# Altium PCB VCTS_mainboard.PcbDoc (part 4 of 4)
Units mm, origin at the board's own origin, x right, y up, seen from the top; angles counter-clockwise.
Board outline 215 x 98 mm, 6 copper layers (Top Copper, Signal Layer 1, Signal Layer 2, Signal Layer 3, Signal Layer 4, Bottom Copper), stack 1.502 mm thick; 528 components, 359 nets, 1476 pads, 756 vias.
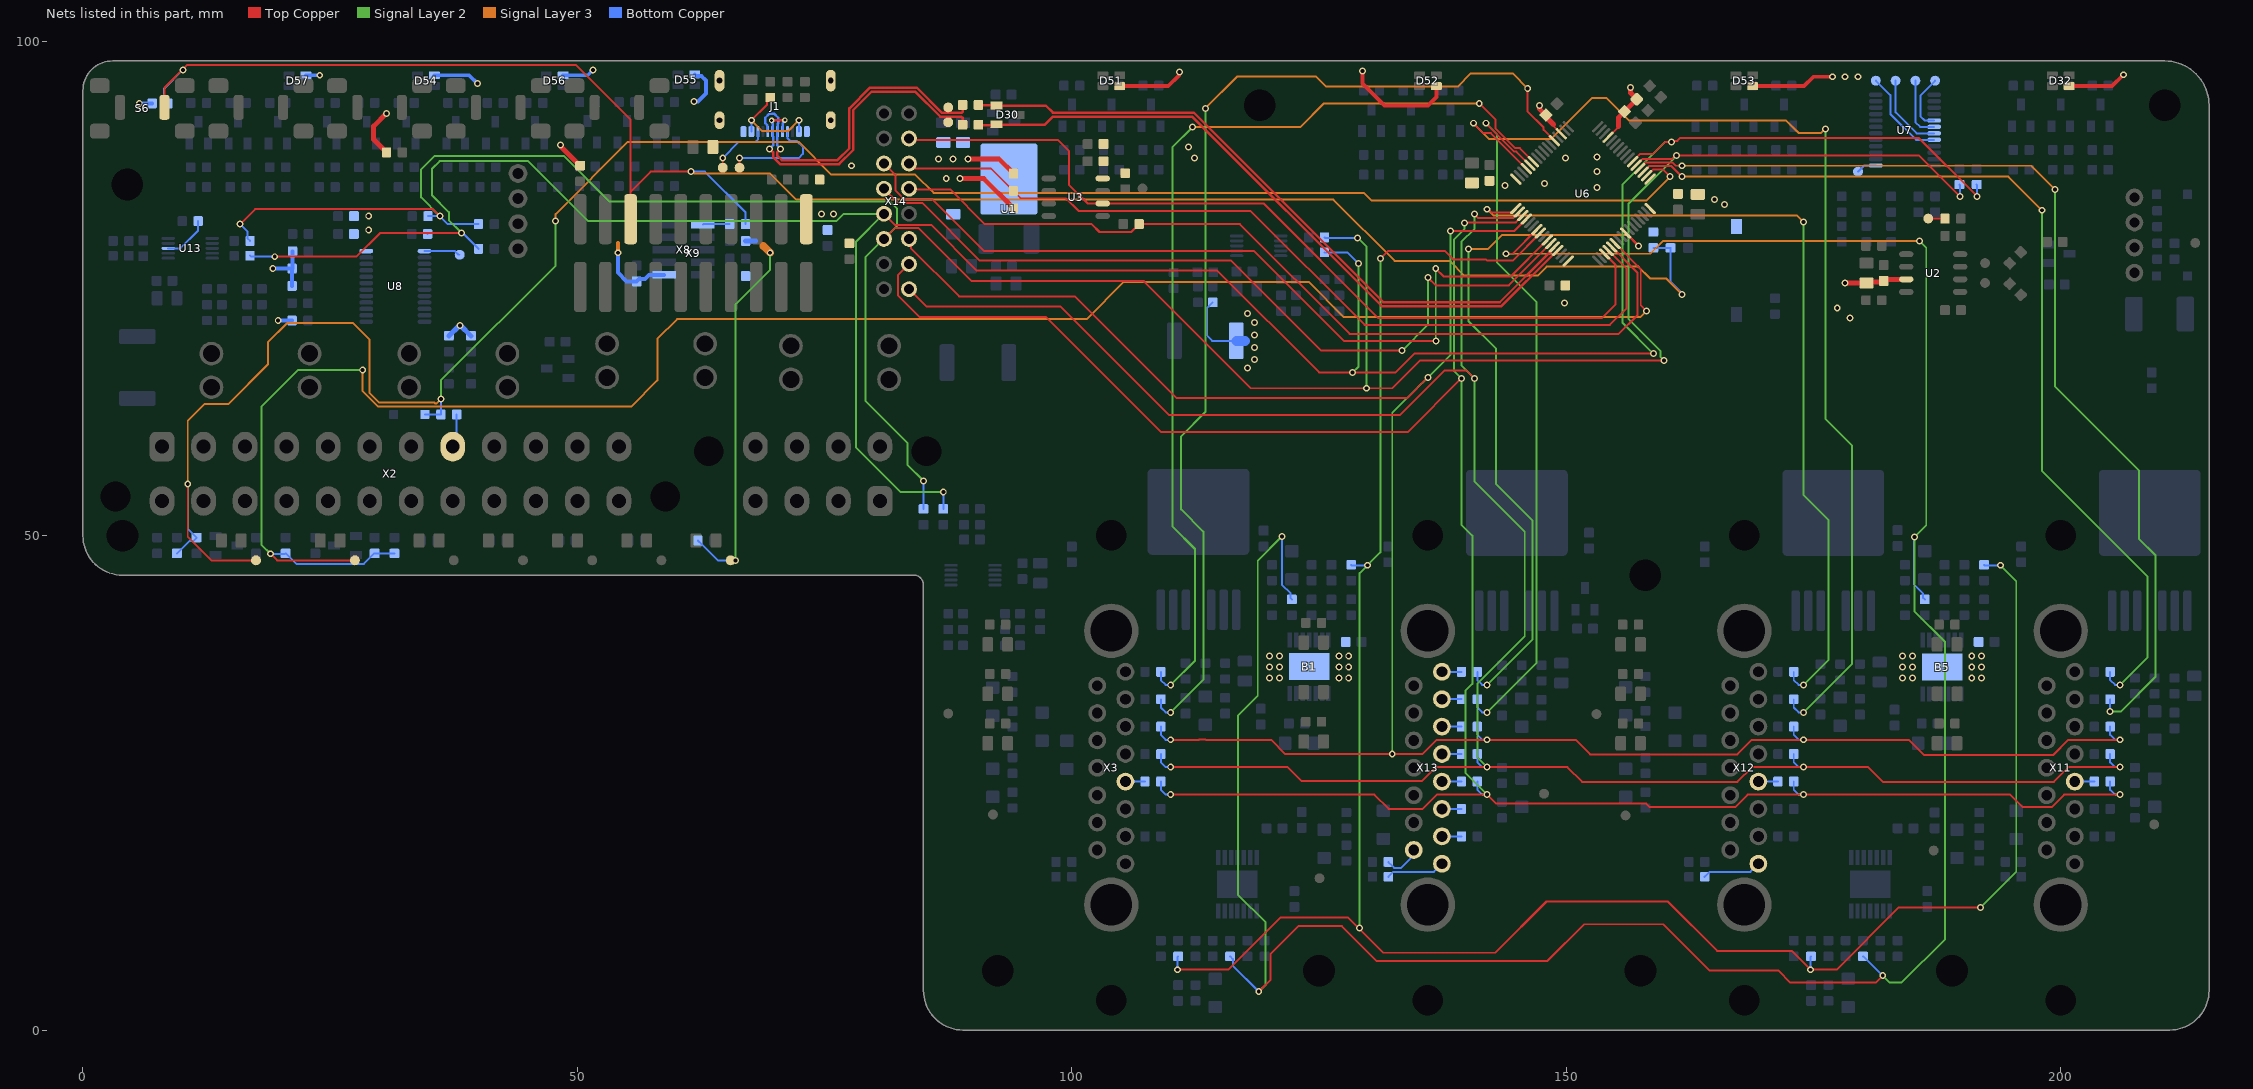
[diagram p8: the nets of this part, all layers, seen from the top]

## Via types
v1: diameter 0.7, hole 0.4, Top Copper to Bottom Copper, tented both sides, 682 vias
v2: diameter 0.7, hole 0.4, Top Copper to Bottom Copper, tented top, 72 vias
v3: diameter 0.56, hole 0.3, Top Copper to Bottom Copper, tented both sides, 2 vias

## Nets (pads, with @x,y where several pads share a name; then routed paths per layer and width w, separated by ;. In a path a pad name is that pad's centre, name@x,y a point inside that pad or via, vN(x,y) a via of type N, cw(c..) or ccw(c..) an arc to the next point about the centre after c; other vN are vias at no path point) (continued)
NetR164_2: R164.2 X12.15 | length 6
  Bottom Copper w0.2: R164.2@164,15.5 164,15.515 164.385,15.9 164.4,15.9 164.5,16 168.605,16 X12.15@169.422,16.818
NetR165_2: R165.2 X13.8 | length 2
  Bottom Copper w0.2: X13.8@137.422,36.223 R165.2@139.4,36.223
NetR166_1: R166.1 X13.9 | length 2
  Bottom Copper w0.2: X13.9@137.422,33.455 R166.1@139.4,33.455
NetR167_2: R167.2 X13.10 | length 2
  Bottom Copper w0.2: X13.10@137.422,30.686 R167.2@139.4,30.686
NetR168_2: R168.2 X13.11 | length 2
  Bottom Copper w0.2: X13.11@137.422,27.917 R168.2@139.4,27.917
NetR169_2: R169.2 X13.13 | length 2
  Bottom Copper w0.2: X13.13@137.422,22.355 R169.2@139.4,22.355
NetR170_2: R170.2 X13.14 | length 2
  Bottom Copper w0.2: X13.14@137.422,19.586 R170.2@139.4,19.587
NetR171_2: R171.2 X13.7 | length 3.9
  Bottom Copper w0.2: R171.2@132,17 132,16.985 132.385,16.6 132.4,16.6 132.6,16.4 133.3,16.4 134.271,17.371 134.271,17.908 X13.7@134.578,18.215
NetR172_2: R172.2 X13.15 | length 6
  Bottom Copper w0.2: R172.2@132,15.5 132,15.515 132.385,15.9 132.4,15.9 132.5,16 136.605,16 X13.15@137.422,16.818
NetR214_1: R214.1 U13.8 | length 4.7
  Bottom Copper w0.2: U13.8@8.625,79.05 9.85,79.05 11.65,80.85 R214.1@11.65,81.8
NetR292_2: R292.2 X3.12 | length 2
  Bottom Copper w0.2: X3.12@105.422,25.123 R292.2@107.4,25.123
NetR293_2: R293.2 X11.12 | length 2
  Bottom Copper w0.2: X11.12@201.422,25.123 R293.2@203.4,25.123
NetR294_2: R294.2 X12.12 | length 2
  Bottom Copper w0.2: X12.12@169.422,25.123 R294.2@171.4,25.123
NetR295_2: R295.2 X13.12 | length 2
  Bottom Copper w0.2: X13.12@137.422,25.123 R295.2@139.4,25.123
NetR296_1: R296.1 X8.10 | length 2.7
  Bottom Copper w0.2: X8.10@62.684,81.435 62.749,81.5 R296.1@65.4,81.5
NetTP16_1: TP16.1 U7.1 | length 2.1
  Bottom Copper w0.2: TP16.1@179.5,86.8 180.125,87.425 U7.1@181.3,87.425
NetTP17_1: TP17.1 U8.1 | length 3.7
  Bottom Copper w0.2: U8.1@34.55,78.775 37.603,78.775 37.978,78.4 TP17.1@38.1,78.4
NetTP18_1: TP18.1 U7.17 | length 5.8
  Bottom Copper w0.2: U7.17@187.2,91.975 186.225,91.975 185.8,92.4 185.8,94.5 TP18.1@187.3,96
NetTP19_1: TP19.1 U7.18 | length 6.3
  Bottom Copper w0.2: TP19.1@185.3,96 185.3,91.8 185.775,91.325 U7.18@187.2,91.325
NetTP20_1: TP20.1 U7.19 | length 8
  Bottom Copper w0.2: TP20.1@183.3,96 183.3,92.8 185.425,90.675 U7.19@187.2,90.675
NetTP21_1: TP21.1 U7.20 | length 9.5
  Bottom Copper w0.2: TP21.1@181.3,96 182.766,94.534 182.766,92.634 185.375,90.025 U7.20@187.2,90.025
ONBOARD_I2C_SCL: R110.1 R111.1 R146.1 R287.1 R289.1 R291.1 U6.6 X14.13 | length 287.1
  Top Copper w0.2: v1(19.4,78.2) 27.65,78.2 30.05,80.6 v1(38.3,80.6) ; X14.13@81,82.54 82.11,81.43 85.77,81.43 90.4,76.8 114.7,76.8 125,66.5 132.738,66.5 134.638,68.4 v1(158.8,68.4) ; U6.6@156.715,87.819 157.498,88.602 158.78,88.602 160,89.821 v1(160.642,89.821) 160.738,89.917 161.222,89.917 161.488,90.183 185.667,90.183 v1(191.55,84.3)
  Signal Layer 2 w0.2: v1(38.3,80.6) 37.011,81.889 37.011,82.703 35.3,84.414 35.3,87.1 36.07,87.87 45.03,87.87 51.104,81.796 76.192,81.796 76.936,82.54 X14.13@81,82.54 78.198,79.738 78.198,58.886 82.684,54.4 v1(87,54.4) ; v1(128.4,66.5) 129,67.1 v1(129,77.5) ; v1(158.8,68.4) 155.7,71.5 155.7,85.522 160,89.821 v1(160.642,89.821)
  Bottom Copper w0.2: R291.1@16.9,78.3 17,78.2 v1(19.4,78.2) ; R111.1@34.85,80.5 34.95,80.6 v1(38.3,80.6) 38.415,80.6 40,79.015 R146.1@40,79 ; R287.1@87,52.7 v1(87,54.4) ; R289.1@125.55,78.65 127.85,78.65 v1(129,77.5) ; R110.1@191.5,85.5 191.55,85.45 v1(191.55,84.3)
ONBOARD_I2C_SDA: R112.1 R113.1 R147.1 R286.1 R288.1 R290.1 U6.5 X14.14 | length 285.7
  Top Copper w0.2: v1(15.9,81.5) 17.404,83.004 35.396,83.004 v1(36.1,82.3) ; X14.14@81,80 82.1,81.1 84.5,81.1 89.872,75.728 107.276,75.728 118.104,64.9 v1(129.8,64.9) 132.4,64.9 135.196,67.696 159.896,67.696 v1(159.9,67.7) ; U6.5@157.069,87.465 157.681,88.077 160.661,88.077 161.015,88.43 v1(161.15,88.43) 185.67,88.43 v1(189.8,84.3)
  Signal Layer 2 w0.2: v1(36.1,82.3) 34.2,84.2 34.2,87.031 35.569,88.4 48.6,88.4 53.198,83.802 81.598,83.802 82.3,83.1 82.3,81.3 X14.14@81,80 79.129,78.129 79.129,63.623 83.407,59.345 83.407,57.131 v1(85.019,55.519) ; v1(128.9,80.1) 129.8,79.2 v1(129.8,64.9) ; v1(159.9,67.7) 159.504,68.096 159.504,68.692 156.3,71.896 156.3,83.58 v1(161.15,88.43)
  Bottom Copper w0.2: v1(15.9,81.5) 16.667,80.733 16.667,80.033 R290.1@16.9,79.8 ; R113.1@34.9,82.3 v1(36.1,82.3) 36.9,81.5 R147.1@40,81.5 ; R286.1@85,52.7 85.019,52.719 v1(85.019,55.519) ; R288.1@125.55,80.15 125.6,80.1 v1(128.9,80.1) ; R112.1@189.75,85.5 189.8,85.45 v1(189.8,84.3)
P\S\_\O\N\: R3.1 R6.1 R11.2 TP6.1 U6.54 | length 199.3
  Top Copper w0.2: v1(18.976,48.162) 19.638,47.5 TP6.1@27.5,47.5 ; U6.54@154.942,79.54 157.53,76.952 157.53,73.27 v1(158.1,72.7)
  Signal Layer 2 w0.2: v1(18.976,48.162) 18.968,48.162 18.035,49.096 18.035,63.035 21.754,66.754 v1(28.295,66.754)
  Signal Layer 3 w0.2: v1(28.295,66.754) 28.295,64.605 29.852,63.048 55.448,63.048 58.1,65.7 58.1,69.904 60.096,71.9 101.5,71.9 105.25,75.65 123.95,75.65 127.5,72.1 157.5,72.1 v1(158.1,72.7)
  Bottom Copper w0.2: v1(18.976,48.162) R3.1@20.434,48.162 ; R3.1@20.5,48.2 20.525,48.2 21.581,47.144 28.419,47.144 29.475,48.2 R11.2@29.5,48.2 R6.1@31.5,48.2
PWR_D_EN: R53.2 R71.2 R177.2 R195.2 U6.39 | length 271
  Top Copper w0.2: v1(118.9,3.9) 120.1,5.1 120.1,7.7 122.9,10.5 127.3,10.5 130.8,7 148.1,7 151.8,10.7 159.8,10.7 164.5,6 171.463,6 172.667,4.796 181.296,4.796 v1(182,5.5) ; v1(143.9,78.5) 144.568,78.5 U6.39@147.022,80.954
  Signal Layer 2 w0.2: v1(118.9,3.9) 119.604,4.604 119.604,10.896 116.796,13.704 116.796,31.8 118.8,33.804 118.8,47.461 v1(121.253,49.914) ; v1(182,5.5) 182.704,4.796 183.892,4.796 188.3,9.204 188.3,39.239 185.208,42.33 v1(185.208,49.842) 186.4,51.034 186.4,79.1 v1(185.7,79.8)
  Signal Layer 3 w0.2: v1(143.9,78.5) 158.5,78.5 159.8,79.8 v1(185.7,79.8)
  Bottom Copper w0.2: R71.2@116,7.45 116.281,7.169 116.281,6.519 v1(118.9,3.9) ; v1(121.253,49.914) 121.239,49.899 121.239,45.034 122.115,44.158 122.115,43.685 R53.2@122.25,43.55 ; R195.2@180,7.45 180.035,7.45 181.985,5.5 v1(182,5.5) ; v1(185.208,49.842) 185.182,49.815 185.182,45.039 186.058,44.163 186.058,43.742 R177.2@186.25,43.55
PWR_D_SEL: R56.1 R74.1 R180.1 R198.1 U6.40 | length 222
  Top Copper w0.2: v1(110.7,6.1) 115.804,6.1 121.104,11.4 127.9,11.4 129.05,10.25 131.482,7.818 142.818,7.818 148,13 160.252,13 165.252,8 172.8,8 v1(174.7,6.1) 177.333,6.1 183.633,12.4 v1(191.9,12.4) ; v1(131.2,78) 132,78.8 137.7,78.8 138.1,78.4 138.596,77.904 141.892,77.904 142,77.796 144.571,77.796 U6.40@147.376,80.601
  Signal Layer 2 w0.2: v1(129.1,10.3) 129.1,46.2 131.2,48.3 v1(131.2,78) ; v1(191.9,12.4) 195.5,16 195.5,45.4 v1(193.9,47)
  Bottom Copper w0.2: v1(110.7,6.1) 110.7,7.4 R74.1@110.75,7.45 ; R56.1@128.25,47.05 128.3,47 v1(129.9,47) ; v1(174.7,6.1) 174.7,7.4 R198.1@174.75,7.45 ; R180.1@192.25,47.05 192.3,47 v1(193.9,47)
PWR_OK_ATX: D2.1 R2.1 R13.2 R14.1 TP7.1 U6.2 | length 214.6
  Top Copper w0.2: v1(10.6,55.2) 10.6,49.9 13,47.5 TP7.1@17.5,47.5 ; U6.2@158.124,86.399 158.742,87.017 159.783,87.017 v1(160.5,86.3)
  Signal Layer 2 w0.2: v1(36.2,63.8) 36.2,65.7 47.8,77.3 v1(47.8,81.8)
  Signal Layer 3 w0.2: v1(10.6,55.2) 10.6,61.6 12.325,63.325 14.725,63.325 18.7,67.3 18.7,69.53 20.686,71.516 27.284,71.516 28.999,69.801 28.999,64.397 29.927,63.469 35.536,63.469 35.626,63.378 35.763,63.378 36.185,63.8 v1(36.2,63.8) ; v1(47.8,81.8) 47.8,82.5 55.11,89.81 72.39,89.81 75.69,86.51 80.407,86.51 84.132,86.51 84.166,86.51 86.016,84.66 90.273,84.66 90.28,84.653 129.541,84.653 130.318,83.876 158.076,83.876 v1(160.5,86.3)
  Bottom Copper w0.2: R14.1@9.5,48.2 9.525,48.2 10.77,49.445 11.145,49.445 R13.2@11.5,49.8 10.6,50.7 v1(10.6,55.2) ; D2.1@34.575,62.25 R2.1@36.2,62.25 v1(36.2,63.8)
PWR_OK_UNPROT: R2.2 X2.8 | length 3.4
  Bottom Copper w0.2: X2.8@37.4,59 37.8,59.4 R2.2@37.8,62.25
R\S\T\: R100.1 R108.1 R124.1 R296.2 S6.1 X9.15 | length 195.1
  Top Copper w0.2: S6.1@8.25,93.3 8.25,95.306 10.544,97.6 49.847,97.6 55.38,92.067 55.38,84.78 ; X9.15@55.38,82 55.38,84.78 ; v1(61.5,86.8) 57.4,86.8 55.38,84.78
  Signal Layer 3 w0.2: v1(61.5,86.8) 61.635,86.8 61.799,86.636 69.456,86.636 72.111,83.981 80.543,83.981 80.544,83.98 126.453,83.98 132.646,77.788 138.212,77.788 139.704,76.296 147.1,76.296 148.008,77.204 157.296,77.204 158.5,76 160.1,76 v1(161.7,74.4)
  Bottom Copper w0.2: R124.1@8.6,93.7 8.244,94.081 8.2,95.2 v1(10.1,97.1) ; v1(61.5,86.8) 62.9,86.8 67,82.7 R296.2@67,81.5 ; R100.1@158.8,79.1 158.805,79.095 160.537,79.095 R108.1@160.542,79.091 160.542,75.658 161.7,74.5 v1(161.7,74.4)
SBU1: J1.A8 TP25.1 | length 10.8
  Top Copper w0.2: TP25.1@66.4,87.2 v1(66.4,88.177)
  Bottom Copper w0.2: v1(66.4,88.177) 72.377,88.177 72.8,88.6 72.8,89.3 72.2,89.9 71.517,89.9 71.25,90.167 J1.A8@71.25,90.85
SBU2: J1.B8 TP22.1 | length 6.1
  Top Copper w0.2: TP22.1@64.7,87.2 v1(64.7,88.177)
  Bottom Copper w0.2: v1(64.7,88.177) 66.327,89.804 68.004,89.804 68.25,90.05 J1.B8@68.25,90.85
SPI_CS_BRD1_1: R22.2 U6.21 | length 108.3
  Top Copper w0.2: v1(146.1,95.2) 146.1,92.865 147.7,91.265 147.7,91.025 U6.21@148.79,89.935
  Signal Layer 2 w0.2: v1(110,32.127) 113.3,35.427 113.3,50.4 111.046,52.654 111.046,60.046 113.5,62.5 v1(113.5,93.2)
  Signal Layer 3 w0.2: v1(113.5,93.2) 116.7,96.4 124.704,96.4 125.708,95.396 139.005,95.396 140.344,96.735 144.565,96.735 v1(146.1,95.2)
  Bottom Copper w0.2: R22.2@109,33.45 109,32.617 109.489,32.127 v1(110,32.127)
SPI_CS_BRD1_2: R21.1 U6.27 | length 99.6
  Top Copper w0.2: v1(141.198,93.7) 141.198,93.698 142.86,92.035 142.86,91.159 144.849,89.17 145.312,89.17 U6.27@146.669,87.813
  Signal Layer 2 w0.2: v1(110,34.9) 112.454,37.354 112.454,48.646 110.2,50.9 110.2,89.3 v1(112.2,91.3)
  Signal Layer 3 w0.2: v1(112.2,91.3) 123.1,91.3 125.5,93.7 v1(141.198,93.7)
  Bottom Copper w0.2: R21.1@109,36.223 109,35.389 109.489,34.9 v1(110,34.9)
SPI_CS_BRD2_1: R166.2 U6.28 | length 72
  Top Copper w0.2: v1(141.9,91.7) 141.9,91.638 144.719,88.819 144.956,88.819 U6.28@146.315,87.46
  Signal Layer 2 w0.2: v1(141.9,91.7) 142.975,90.625 142.975,77.625 147,73.6 147,37.127 v1(142,32.127)
  Bottom Copper w0.2: R166.2@141,33.45 141,32.617 141.489,32.127 v1(142,32.127)
SPI_CS_BRD2_2: R165.1 U6.57 | length 70.8
  Top Copper w0.2: U6.57@156.003,80.601 v1(157.302,79.302)
  Signal Layer 2 w0.2: v1(140.1,79) 140.1,71.7 142.9,68.9 142.9,55.194 146.6,51.494 146.6,39.5 v1(142,34.9)
  Signal Layer 3 w0.2: v1(140.1,79) 142.104,79 143.508,80.404 156.2,80.404 v1(157.302,79.302)
  Bottom Copper w0.2: R165.1@141,36.223 141,35.389 141.489,34.9 v1(142,34.9)
SPI_CS_BRD3_1: R158.2 U6.29 | length 111
  Top Copper w0.2: v1(140.6,91.7) 141.6,90.7 142.368,90.7 U6.29@145.962,87.106
  Signal Layer 2 w0.2: v1(174,32.127) 178.894,37.021 178.894,59.106 176.2,61.8 v1(176.2,91.1)
  Signal Layer 3 w0.2: v1(140.6,91.7) 142.2,90.1 148.444,90.1 152.583,94.239 154.08,94.239 156.323,91.996 172.204,91.996 173.483,90.717 175.77,90.717 176.153,91.1 v1(176.2,91.1)
  Bottom Copper w0.2: R158.2@173,33.45 173,32.617 173.489,32.127 v1(174,32.127)
SPI_CS_BRD3_2: R157.1 U6.33 | length 86.7
  Top Copper w0.2: v1(142,83) 142.123,83 142.472,82.651 144.477,82.651 U6.33@144.901,83.076
  Signal Layer 2 w0.2: v1(174,34.9) 176.536,37.436 176.536,51.564 174,54.1 v1(174,81.7)
  Signal Layer 3 w0.2: v1(142,83) 142.65,82.35 173.35,82.35 v1(174,81.7)
  Bottom Copper w0.2: R157.1@173,36.223 173,35.389 173.489,34.9 v1(174,34.9)
SPI_CS_BRD4_1: R150.2 U6.4 | length 104.2
  Top Copper w0.2: U6.4@157.422,87.112 158.058,87.747 160.72,87.747 161.067,87.4 v1(161.7,87.4)
  Signal Layer 2 w0.2: v1(199.4,85) 199.4,65.11 207.907,56.603 207.907,49.693 209.583,48.017 209.583,35.71 206.073,32.2 v1(205,32.2)
  Signal Layer 3 w0.2: v1(161.7,87.4) 197,87.4 v1(199.4,85)
  Bottom Copper w0.2: v1(205,32.2) R150.2@205,33.45
SPI_CS_BRD4_2: R149.1 U6.3 | length 98
  Top Copper w0.2: U6.3@157.776,86.758 158.377,87.359 160.641,87.359 v1(161.7,86.3)
  Signal Layer 2 w0.2: v1(198.1,82.9) 198.1,56.542 208.77,45.872 208.77,37.67 v1(206,34.9)
  Signal Layer 3 w0.2: v1(161.7,86.3) 170.409,86.3 170.413,86.304 194.696,86.304 v1(198.1,82.9)
  Bottom Copper w0.2: R149.1@205,36.223 205,35.389 205.489,34.9 v1(206,34.9)
SPI_EXT_MISO: R292.1 R293.1 R294.1 R295.1 U6.35 X14.2 | length 242.4
  Top Copper w0.2: X14.2@83.54,77.46 82.44,76.36 82.44,74.26 84.6,72.1 97.4,72.1 109.027,60.473 133.973,60.473 v1(139.4,65.9) v1@139.412,65.888 ; v1(110,23.809) 130.591,23.809 132.033,22.367 135.472,22.367 136.914,23.809 v1(142,23.809) 142.909,22.9 158.1,22.9 158.448,22.552 167.075,22.552 168.332,23.809 v1(174,23.809) 194.891,23.809 196.148,22.552 199.075,22.552 200.332,23.809 v1(206,23.809) ; v1(139.7,81.6) 139.766,81.666 144.906,81.666 U6.35@145.608,82.369
  Signal Layer 2 w0.2: v1(139.7,81.6) 139.7,81 138.632,79.932 138.632,66.668 v1(139.4,65.9) 139.4,51.1 140.5,50 140.5,35.004 139.8,34.304 139.8,26.009 v1(142,23.809)
  Bottom Copper w0.2: R292.1@109,25.132 109,24.298 109.489,23.809 v1(110,23.809) ; R295.1@141,25.132 141,24.298 141.489,23.809 v1(142,23.809) ; R294.1@173,25.132 173,24.298 173.489,23.809 v1(174,23.809) ; R293.1@205,25.132 205,24.298 205.489,23.809 v1(206,23.809)
SPI_EXT_MOSI: R24.1 R152.1 R160.1 R168.1 U6.34 X14.1 | length 238.9
  Top Copper w0.2: X14.1@83.54,74.92 85.28,73.18 98.82,73.18 109.8,62.2 133.2,62.2 137.7,66.7 139.9,66.7 v1(140.7,65.9) ; v1(110,26.582) 121.828,26.582 123.242,25.168 135.368,25.168 136.782,26.582 v1(142,26.582) 150.118,26.582 151.6,25.1 167.3,25.1 168.782,26.582 v1(174,26.582) 180.518,26.582 182,25.1 199.3,25.1 200.782,26.582 v1(206,26.582) ; v1(140.7,82.5) 141.1,82.1 144.632,82.1 U6.34@145.255,82.722
  Signal Layer 2 w0.2: v1(140.7,82.5) 140.7,80.996 139.396,79.692 139.396,67.204 v1(140.7,65.9) 140.7,55.5 145.8,50.4 145.8,39.8 141,35 141,27.582 v1(142,26.582)
  Bottom Copper w0.2: R24.1@109,27.905 109,27.071 109.489,26.582 v1(110,26.582) ; R168.1@141,27.905 141,27.071 141.489,26.582 v1(142,26.582) ; R160.1@173,27.905 173,27.071 173.489,26.582 v1(174,26.582) ; R152.1@205,27.905 205,27.071 205.489,26.582 v1(206,26.582)
SPI_EXT_SCK: R23.1 R151.1 R159.1 R167.1 U6.36 X14.3 | length 231.8
  Top Copper w0.2: X14.3@83.54,80 83.733,79.807 83.733,79.067 88.6,74.2 100.3,74.2 110.6,63.9 133.9,63.9 v1(136,66) ; v1(110,29.354) 112.859,29.354 112.908,29.404 113.492,29.404 113.541,29.354 120.146,29.354 121.6,27.9 v1(132.4,27.9) ; v1@132.4,27.902 135.439,27.902 136.891,29.354 v1(142,29.354) 150.946,29.354 152.422,27.878 167.298,27.878 168.775,29.354 v1(174,29.354) 184.635,29.354 186.193,27.796 199.218,27.796 200.776,29.354 v1(206,29.354) ; v1(138.3,80.8) 144.747,80.8 U6.36@145.962,82.015
  Signal Layer 2 w0.2: v1(132.4,27.9) 132.4,62.4 138.3,68.3 v1(138.3,80.8)
  Bottom Copper w0.2: R23.1@109,30.678 109,29.844 109.489,29.354 v1(110,29.354) ; R167.1@141,30.678 141,29.844 141.489,29.354 v1(142,29.354) ; R159.1@173,30.678 173,29.844 173.489,29.354 v1(174,29.354) ; R151.1@205,30.678 205,29.844 205.489,29.354 v1(206,29.354)
SPI_INT_MISO: R33.2 U6.52 X14.6 | length 86.7
  Top Copper w0.2: X14.6@83.5,87.1 91.85,87.1 93.712,85.238 93.726,85.238 94.1,84.865 R33.2@94.1,84.85 94.1,84.835 94.485,84.45 94.5,84.45 94.837,84.113 99.405,84.113 100.675,82.843 118.057,82.843 129.6,71.3 154.4,71.3 156.1,73 156.1,76.968 U6.52@154.235,78.833 ; X14.6@83.54,87.62 X14.6@83.817,87.62
SPI_INT_MOSI: R32.2 U6.53 X14.5 | length 89.2
  Top Copper w0.2: X14.5@83.54,85.08 83.62,85 87.7,85 91.2,81.5 102,81.5 102.8,80.7 106.028,80.7 106.8,81.472 R32.2@106.8,81.5 117,81.5 128.1,70.4 155.3,70.4 157.2,72.3 157.2,76.575 U6.53@154.588,79.187
SPI_INT_SCK: U3.6 U6.51 X14.7 | length 87.1
  Top Copper w0.2: X14.7@83.54,90.16 83.686,90.014 98.586,90.014 99.7,88.9 99.7,85.5 101.617,83.583 U3.6@103.12,83.583 119.417,83.583 131.004,71.996 153.596,71.996 155,73.4 155,77.361 U6.51@153.881,78.48
STBY: R18.1 TP41.1 | length 1.7
  Top Copper w0.2: TP41.1@186.6,82.05 R18.1@188.3,82.05
USART_MCU_RX: U6.43 X14.12 | length 82.2
  Top Copper w0.2: X14.12@81,85.08 82.44,83.64 84.86,83.64 90.7,77.8 116.1,77.8 125.2,68.7 v1(133.4,68.7) ; v1(136,76.1) 136.8,75.3 144.196,75.3 U6.43@148.437,79.54
  Signal Layer 2 w0.2: v1(133.4,68.7) 136,71.3 v1(136,76.1)
USART_MCU_TX: U6.42 X14.11 | length 84.6
  Top Copper w0.2: X14.11@81,87.62 82.176,86.444 82.176,84.888 83.084,83.98 85.92,83.98 91.1,78.8 118.4,78.8 127.509,69.691 v1(136.818,69.691) ; v1(136.8,77) 137.6,76.2 144.389,76.2 U6.42@148.083,79.894
  Signal Layer 2 w0.2: v1(136.8,77) 136.8,69.709 v1(136.818,69.691)
USB_D_N: D30.1 R134.1 U6.44 | length 68.8
  Top Copper w0.25: R134.1@90.584,93.516 D30.1@92.4,93.516 ; D30.1@92.4,93.5 92.434,93.466 97.381,93.466 98.081,92.766 112.334,92.766 131.5,73.6 143.274,73.6 148.356,78.682 148.356,78.753 U6.44@148.79,79.187
USB_D_P: D30.2 R133.1 U6.45 | length 69.3
  Top Copper w0.25: R133.1@90.55,91.55 90.584,91.516 92.316,91.516 D30.2@92.4,91.6 92.434,91.566 97.281,91.566 98.081,92.366 112.168,92.366 131.334,73.2 143.44,73.2 148.639,78.399 148.71,78.399 U6.45@149.144,78.833
USB_GND: FB1.2 J1.A1_B12 J1.B1_A12 J1.S1 J1.S2 J1.S3 J1.S4
USB_VBUS: J1.A4_B9 J1.B4_A9 R135.2 | length 11.1
  Top Copper w0.2: v1(67.6,92) 69.195,93.595 69.195,93.995 R135.2@69.5,94.3
  Signal Layer 3 w0.2: v1(67.6,92) 68.7,90.9 71.3,90.9 v1(72.4,92)
  Bottom Copper w0.2: J1.A4_B9@67.6,90.85 v1(67.6,92) ; J1.B4_A9@72.4,90.85 v1(72.4,92)
USBCONN_D_N: J1.A7 J1.B7 R134.2 TP24.1 | length 33.5
  Top Copper w0.25: v1(70.558,89.106) 70.196,88.744 70.196,88.438 70.667,87.967 76.301,87.967 77.5,89.166 77.5,93.2 79.6,95.3 84.316,95.3 86.866,92.75 88.839,92.75 88.95,92.861 R134.2@88.95,93.55
  Bottom Copper w0.25: J1.B7@69.25,90.85 69.225,90.875 69.225,91.474 68.994,91.706 68.994,92.251 69.38,92.637 69.926,92.637 70.312,92.251 70.312,91.706 70.246,91.64 70.246,90.854 J1.A7@70.25,90.85 70.225,90.825 70.225,90.375 70.2,90.35 70.2,89.879 70.196,89.875 70.196,89.469 v1(70.558,89.106)
USBCONN_D_P: J1.A6 J1.B6 R133.2 TP23.1 | length 33.3
  Top Copper w0.25: v1(69.433,89.106) 69.796,88.744 69.796,88.272 70.501,87.567 76.467,87.567 77.9,89 77.9,93.034 79.766,94.9 84.15,94.9 86.7,92.35 88.839,92.35 88.95,92.239 R133.2@88.95,91.55 ; v3(69.653,91.978) 69.666,91.992 70.98,91.992 v3(70.993,92.005)
  Bottom Copper w0.25: v1(69.433,89.106) 69.796,89.469 69.796,90.041 69.8,90.045 69.8,90.35 69.775,90.375 69.775,90.825 J1.A6@69.75,90.85 ; v3(69.653,91.978) 69.712,91.919 69.712,91.72 69.754,91.678 69.754,90.911 J1.A6@69.758,90.907 ; J1.B6@70.75,90.85 70.775,90.875 70.775,91.703 70.993,91.921 v3(70.993,92.005)
VCC: C4.2 C5.2 C6.2 C11.2 C12.2 C35.2 C36.2 C38.2 C39.2 C40.2 C41.2 C42.2 C43.2 C44.2 C45.2 C48.2 C49.2 R29.2 R30.2 R31.2 R99.1 R100.2 R101.2 R102.2 R103.2 R106.1 R109.2 R117.2 R118.2 R119.2 R120.2 R122.2 R123.2 R124.2 R128.2 S1.1 TP1.1 U1.4 U3.8 U6.1 U6.13 U6.19 U6.32 U6.48 U6.64 U8.24 X8.1 X9.01 | length 89.7
  Top Copper w0.2: U6.32@144.885,86.046 U6.32@144.901,86.046 ; 148.7,91.569 148.7,91.439 U6.19@149.497,90.642 ; U6.13@154.235,90.288 155.3,91.353 155.3,91.362
  Top Copper w0.4: X9.01@73.16,82 X9.01@73.16,82.5
  Top Copper w0.5: R122.2@30.7,88.75 29.4,90.05 29.4,91.4 v1(30.7,92.7) ; v1(48.3,89.5) 48.338,89.462 48.338,89.337 50.257,87.418 R106.1@50.282,87.418 ; v1(88.7,86.1) 91.1,86.1 93.85,83.35 93.875,83.35 94.1,83.125 R29.2@94.1,83.1 ; v1(89.5,88.1) 92.625,88.1 94.1,86.625 R31.2@94.1,86.6 ; v1(147.3,93.5) 147.313,93.487 147.313,93.121 147.9,92.534 C43.2@147.934,92.534 ; C43.2@147.634,92.634 148.7,91.569 ; 155.3,91.362 155.3,92.303 C38.2@155.874,92.876 C39.2@157.124,94.126 157.124,94.151 156.514,94.761 156.514,95.286 v1(156.5,95.3)
  Signal Layer 2 w0.2: v1(66,47.5) 66,73.4 69.5,76.9 v1(69.5,78.6)
  Signal Layer 3 w0.4: v1(54.1,78.6) 54.1,79.6
  Signal Layer 3 w0.8: 68.8,79.3 v1(69.5,78.6)
  Bottom Copper w0.2: R109.2@62.2,49.5 62.2,49.485 62.574,49.112 62.588,49.112 64.2,47.5 v1(66,47.5)
  Bottom Copper w0.4: v1(5.7,93.7) R124.2@7,93.7 ; v1(19.2,77) R128.2@21.15,77 ; v1(19.75,71.75) R120.2@21.15,71.75 ; R123.2@21.15,75.25 R128.2@21.15,77 ; R119.2@21.2,78.75 21.175,78.725 21.175,77.025 R128.2@21.15,77 ; v1(54.1,78.6) 54.1,76.589 54.989,75.7 C35.2@56,75.7 56.23,75.93 56.83,75.93 57.255,76.355 X8.1@58.784,76.355
  Bottom Copper w0.5: R118.2@37,70.2 37.025,70.2 38.026,71.201 38.102,71.201 v1(38.14,71.239) 38.186,71.239 39.225,70.2 R117.2@39.25,70.2 ; R102.2@67.014,79.779 68.018,79.779 ; v1(69.5,78.6) v1@69.538,78.562
  other v1: 149.8,73.5 28.9,80.9 28.9,82.3 74.7,82.5 75.9,82.5 166,83.5 165,84 153.1,85.2 143.8,85.4 147.8,85.6 87.3,86.1 153.1,86.8 77.7,87.4 86.5,88.1 88,88.1 112.4,88.2 149.9,88.2 153.1,88.3 111.8,89.3
VCC_5V: B1.15 B5.15 C8.2 C9.2 C19.2 C57.2 D32.1 D51.1 D52.1 D53.1 D54.1 D55.1 D56.1 D57.1 R93.1 R94.2 U2.3 | length 59.9
  Top Copper w0.4: D51.1@104.851,95.45 109.75,95.45 110.843,96.543 110.843,96.843 v1(110.9,96.9) ; v1(129.4,97) 129.4,95.7 131.6,93.5 136,93.5 136.857,94.357 D52.1@136.857,95.45 ; D53.1@168.85,95.45 174.05,95.45 175,96.4 v1(176.9,96.4) ; D32.1@200.85,95.45 205.2,95.45 v1(206.35,96.6)
  Top Copper w0.5: v1(178.2,75.55) C9.2@180.35,75.55 180.45,75.65 182,75.65 C8.2@182.1,75.75 182.246,75.896 184.356,75.896 U2.3@184.375,75.915
  Bottom Copper w0.2: R94.2@114.25,73.581 114.235,73.581 113.85,73.196 113.85,73.181 113.694,73.025 113.694,70.186 114.18,69.7 R93.1@116.625,69.7
  Bottom Copper w0.4: D57.1@22.55,96.55 v1(23.95,96.55) ; D54.1@35.55,96.55 39.05,96.55 v1(39.9,95.7) ; D56.1@48.55,96.55 51.05,96.55 v1(51.6,97.1) ; v1(61.8,93.9) 61.816,93.916 62.216,93.916 63,94.7 63,96 62.529,96.471 62.037,96.471 D55.1@61.869,96.639
  Bottom Copper w1: R93.1@116.66,69.665 117.521,69.665
  other v1: 120,35.587 121,35.587 127,35.587 128,35.587 184,35.587 185,35.587 191,35.587 192,35.587 120,36.712 121,36.712 127,36.712 128,36.712 184,36.712 185,36.712 191,36.712 192,36.712 120,37.837 121,37.837 127,37.837 128,37.837 184,37.837 185,37.837 191,37.837 192,37.837 117.75,66.95 118.457,67.79 118.457,69.04 118.457,70.29 118.457,71.54 178.7,72 117.75,72.45 177.4,73 178.2,96.4 179.5,96.4
pads on no net: B1.7 B1.11 B2.7 B2.11 B5.7 B5.11 B6.7 B6.11 S2.TAB S3.TAB U4.3 U5.3 U13.3 X1.Peg X2.14 X2.20 X2.Peg X3.3@104,3 X3.3@104,50.041 X8.7 X8.9 X9.11 X9.17 X11.3@200,3 X11.3@200,50.041 X12.3@168,3 X12.3@168,50.041 X13.3@136,3 X13.3@136,50.041

## Polygon pours and split planes (outlines as drawn)
3V3_PWR_U_Interface_Load_Switching1 on Bottom Copper "Bottom Copper-3V3_ATX" (solid, remove dead copper, pour order 199): 8.177,75.753 8.177,76.884 6.677,76.884 6.677,75.753
DGND on Bottom Copper "NONET_L-01_P-001" (solid, remove dead copper, shelved, pour order 212): 0,0 215,0 215,98 0,98
3V3_ATX on Bottom Copper "Bottom Copper-3V3_ATX" (solid, remove dead copper, pour order 195): 4.264,62 4.264,63.131 2.764,63.131 2.764,62
12V_UNPROT on Bottom Copper "Bottom Copper-12V_UNPROT" (solid, remove dead copper, pour order 196): 80.379,49.35 83.779,52.75 83.779,66.05 75.632,74.197 63.125,74.197 53.329,64.4 45.429,64.4 42.985,61.956 42.985,50.943 44.579,49.35
5V_OUT_0_U_Interface_Load_Switching2 on Bottom Copper "NONET_L-01_P-001" (solid, remove dead copper, pour order 32): 95.844,30.556 102,30.556 102.5,31.056 102.5,35.806 102,36.306 95.806,36.306 95.25,35.75 95.25,31.15
3V3_OUT_0_U_Interface_Load_Switching2 on Bottom Copper "NONET_L-01_P-001" (solid, remove dead copper, pour order 82): 95.95,22.25 102,22.25 102.5,22.75 102.5,27.5 102,28 95.7,28 95.25,27.55 95.25,22.95
3V3_OUT_1_U_Interface_Load_Switching1 on Bottom Copper "Bottom Copper-3V3_OUT_1_U_Interface_Load_Switching1" (solid, remove dead copper, pour order 194): 176.05,16.75 180.75,16.75 180.75,21.15 181.85,22.25 198,22.25 198.5,22.75 198.5,27.5 198,28 178.7,28 175,24.3 175,22.25 175,17.8
5V_OUT_1_U_Interface_Load_Switching2 on Bottom Copper "Bottom Copper-5V_OUT_1_U_Interface_Load_Switching2" (solid, remove dead copper, pour order 193): 124,34.375 124,28.625 131.25,28.625 133.25,30.625 134.125,30.625 134.5,31 134.5,36 134.125,36.375 129.571,36.375 127.571,34.375
3V3_ATX on Bottom Copper "Bottom Copper-3V3_ATX" (solid, remove dead copper, pour order 192): 9.1,62 16,62 17.6,63.6 17.6,69.1 16.261,70.439 10.439,70.439 9.1,69.1 8.4,68.4 3.3,68.4 2,67.1 2,62.6 2.6,62
3V3_UNPROT on Bottom Copper "Bottom Copper-3V3_UNPROT" (solid, remove dead copper, pour order 191): 6.1,55 26.9,55 28,56.1 28,69.1 26.661,70.439 19.139,70.439 17.7,69 17.7,63.3 16.4,62 6.3,62 5,60.7 5,56.1
VCC_5V on Bottom Copper "Bottom Copper-VCC_5V" (solid, remove dead copper, pour order 190): 116,66.5 118,64.5 174,64.5 181,71.5 181,75.3 179.1,77.2 177.2,77.2 176,76 171.2,71.2 120.5,71.2 119.5,72.2 118.4,73.3 116.7,73.3 116,72.6
VCC on Bottom Copper "NONET_L-01_P-001" (solid, remove dead copper, pour order 189): 66.5,80.3 66.5,75.7 71.3,75.7 73,77.4 73,79.6 72,80.6 66.8,80.6
VCC_5V on Bottom Copper "Bottom Copper-VCC_5V 1" (solid, remove dead copper, pour order 188): 183,35.562 183.6,34.962 192.4,34.962 193,35.562 193,37.962 192.5,38.462 192.5,40 192,40.5 191,40.5 190.5,40 190.5,39 189.962,38.462 183.6,38.462 183,37.862
VCC_5V on Bottom Copper "Bottom Copper-VCC_5V 2" (solid, remove dead copper, pour order 183): 119,35.6 119.6,35 128.4,35 129,35.6 129,38 128.5,38.5 128.5,40 128,40.5 127,40.5 126.5,40 126.5,39 126,38.5 119.6,38.5 119,37.9
VCC on Bottom Copper "NONET_L-01_P-001" (solid, remove dead copper, pour order 144): 142.8,84.6 147.7,79.7 147.7,73.833 149.333,72.2 160.7,72.2 168.6,80.1 168.6,83.5 167.2,84.9 163.8,84.9 158,90.7 158,95.2 156.3,96.9 149.3,96.9 142.8,90.4
VCC on Bottom Copper "NONET_L-01_P-001" (solid, remove dead copper, pour order 181): 26.8,83.4 28.7,83.4 30.1,82 30.1,78.8 29.8,78.5 27.3,78.5 26.5,79.3 26.5,83.1
USB_GND on Bottom Copper "NONET_L-01_P-001" (solid, remove dead copper, pour order 26): 77.1,97.1 77.1,90.8 76.2,89.9 63.6,89.9 62.7,90.8 62.7,96.9 63.8,98 76.2,98
VCC on Bottom Copper "NONET_L-01_P-001" (solid, remove dead copper, pour order 160): 74.2,80.4 76.4,80.4 76.6,80.6 76.6,83 76.1,83.5 74.5,83.5 74,83 74,80.6
3V3_PWR_U_Interface_Load_Switching1 on Bottom Copper "NONET_L-01_P-001" (solid, remove dead copper, pour order 33): 2,68.5 2,73.1 5.8,76.9 7.9,76.9 9,75.8 9,69.3 8.2,68.5
3V3_PWR_U_Interface_Load_Switching1 on Bottom Copper "NONET_L-01_P-001" (solid, remove dead copper, pour order 158): 93.3,47.2 97,47.2 98.1,48.3 98.1,48.7 97.7,49.1 93.7,49.1 93.3,48.7
3V3_OUT_1_U_Interface_Load_Switching2 on Bottom Copper "Bottom Copper-3V3_OUT_1_U_Interface_Load_Switching2" (solid, remove dead copper, pour order 154): 111,16.75 116.75,16.75 116.75,20.65 118.35,22.25 134,22.25 134.5,22.75 134.5,27.5 134,28 115.5,28 111,23.5 111,22.25
5V_OUT_0_U_Interface_Load_Switching1 on Bottom Copper "NONET_L-01_P-001" (solid, remove dead copper, pour order 23): 159.944,30.556 166,30.556 166.5,31.056 166.5,35.806 166,36.306 159.706,36.306 159.25,35.85 159.25,31.25
5V_OUT_0_U_Interface_Load_Switching1 on Bottom Copper "NONET_L-01_P-001" (solid, remove dead copper, pour order 22): 188,34.75 183.35,34.75 182.7,34.1 182.7,33.2 184.15,31.75 188,31.75
3V3_OUT_0_U_Interface_Load_Switching1 on Bottom Copper "NONET_L-01_P-001" (solid, remove dead copper, pour order 86): 180.75,16.75 184.75,16.75 184.75,19 182.75,21 180.75,21
3V3_OUT_0_U_Interface_Load_Switching1 on Bottom Copper "NONET_L-01_P-001" (solid, remove dead copper, pour order 19): 160.25,22.25 166,22.25 166.5,22.75 166.5,27.5 166,28 159.7,28 159.25,27.55 159.25,23.25
12V_OUT_1_U_Interface_Load_Switching1 on Bottom Copper "NONET_L-01_P-001" (solid, remove dead copper, pour order 75): 163.684,36.816 175.816,36.816 177.433,38.433 177.433,46.067 175.82,47.68 163.18,47.68 162,46.5 162,38.5
5V_OUT_0_U_Interface_Load_Switching2 on Bottom Copper "NONET_L-01_P-001" (solid, remove dead copper, pour order 143): 124,34.75 119.35,34.75 118.7,34.1 118.7,33.2 120.15,31.75 124,31.75
12V_PWR on Bottom Copper "Bottom Copper-12V_PWR" (solid, remove dead copper, pour order 141): 90.57,71.07 90.57,58.43 99,50 215,50 215,72.3 213.8,73.5 211.9,73.5 210.7,72.3 210.7,65.8 209.9,65 109.5,65 101,73.5 93,73.5
3V3_PWR_U_Interface_Load_Switching1 on Bottom Copper "NONET_L-01_P-001" (solid, remove dead copper, pour order 140): 185.7,84.2 187.5,84.2 188.6,85.3 188.6,87.5 188.3,87.8 185.8,87.8 184.8,86.8 184.8,85.1
3V3_PWR_U_Interface_Load_Switching1 on Bottom Copper "NONET_L-01_P-001" (solid, remove dead copper, pour order 139): 175.75,15.9 175.75,13.6 176.35,13 185.15,13 187,14.85 187,16 186.5,16.5 176.35,16.5
3V3_PWR_U_Interface_Load_Switching1 on Bottom Copper "NONET_L-01_P-001" (solid, remove dead copper, pour order 138): 111.75,15.9 111.75,13.6 112.35,13 121.15,13 123,14.85 123,16 122.5,16.5 112.35,16.5
VCC on Bottom Copper "NONET_L-01_P-001" (solid, remove dead copper, pour order 132): 91.4,89.2 91.4,83.4 90.2,82.2 86.4,82.2 85.1,83.5 85.1,89.6 85.9,90.4 90.2,90.4
5VSB_ATX on Bottom Copper "Bottom Copper-5VSB_ATX" (solid, remove dead copper, pour order 125): 89.2,73.9 92.3,73.9 93,74.6 93,77.7 93.8,78.5 94.1,78.8 94.1,81.5 93.6,82 89.5,82 89,81.5 89,76.4 88.6,76 88.6,74.5
5V_OUT_1_U_Interface_Load_Switching1 on Bottom Copper "Bottom Copper-5V_OUT_1_U_Interface_Load_Switching1" (solid, remove dead copper, pour order 111): 188,34.375 188,28.625 196.225,28.625 198.5,30.9 198.5,36 198.125,36.375 193.813,36.375 191.813,34.375
5V_ATX on Bottom Copper "NONET_L-01_P-001" (solid, remove dead copper, pour order 108): 108.5,73.3 110.6,73.3 111,72.9 111,66.5 110.6,66.1 108.6,66.1 107.5,67.2 107.5,72.3
3V3_OUT_0_U_Interface_Load_Switching2 on Bottom Copper "NONET_L-01_P-001" (solid, remove dead copper, pour order 85): 116.75,16.75 120.75,16.75 120.75,19 118.75,21 116.75,21
12V_OUT_1_U_Interface_Load_Switching2 on Bottom Copper "NONET_L-01_P-001" (solid, remove dead copper, pour order 81): 99.684,36.816 111.816,36.816 113.433,38.433 113.433,46.067 111.82,47.68 99.18,47.68 98,46.5 98,38.5
12V_OUT_2_U_Interface_Load_Switching2 on Bottom Copper "NONET_L-01_P-001" (solid, remove dead copper, pour order 77): 131.684,36.816 143.816,36.816 145.433,38.433 145.433,46.067 143.82,47.68 131.18,47.68 130,46.5 130,38.5
12V_OUT_2_U_Interface_Load_Switching1 on Bottom Copper "NONET_L-01_P-001" (solid, remove dead copper, pour order 10): 195.684,36.816 207.816,36.816 209.433,38.433 209.433,46.067 207.82,47.68 195.18,47.68 194,46.5 194,38.5
12V_ATX on Bottom Copper "NONET_L-01_P-001" (solid, remove dead copper, pour order 0): 81.5,73.5 88.5,73.5 90.5,71.5 90.5,63.5 88.5,61.5 81.5,61.5 79,64 79,71
DGND on Signal Layer 1 "NONET_L-01_P-001" (solid, remove dead copper, pour order 25): 0,98 0,0 215,0 215,98
no net on Bottom Overlay "NONET_L-01_P-001" (solid): 135,71 ccw(c147,71) 147,59 ccw(c147,71) 159,71 ccw(c147,71) 147,83 ccw(c147,71)
DGND on Top Copper "NONET_L-01_P-001" (solid, remove dead copper, shelved, pour order 211): 0,98 215,98 215,0 0,0
12V_PWR on Top Copper "Top Copper-12V_PWR" (solid, remove dead copper, pour order 182): 90.57,54.93 99.5,46 210,46 212.5,48.5 212.5,59 211.4,60.1 173.4,60.1 168,65.5 148.5,65.5 143.1,60.1 108.9,60.1 95.5,73.5 93,73.5 90.57,71.07
USB_GND on Top Copper "NONET_L-01_P-001" (solid, remove dead copper, pour order 180): 77.1,97.1 77.1,89.4 75.7,88 63.2,88 62.7,88.5 62.7,96.7 64,98 76.2,98
VCC on Top Copper "Top Copper-VCC" (solid, remove dead copper, pour order 162): 72.3,78.8 78.5,78.8 78.5,87.9 78.117,88.283 75.483,88.283 74,86.8 74,85.6 73.5,85.1 72.3,85.1 71.9,84.7 71.9,79.2
VCC on Top Copper "NONET_L-01_P-001" (solid, remove dead copper, pour order 148): 103.2,90.4 111.9,90.4 113.3,89 113.3,88 112.3,87 107.2,87 106,85.8 104,85.8 103,85.8 102.6,86.2 102.6,89.8
VCC on Top Copper "NONET_L-01_P-001" (solid, remove dead copper, pour order 147): 158.7,86.7 159.1,86.7 159.5,86.3 165.6,86.3 167.1,84.8 167.1,83.5 166.2,82.6 159,82.6 158.783,82.383 157.341,83.825 157.341,85.341
12V_ATX on Top Copper "NONET_L-01_P-001" (solid, remove dead copper, pour order 6): 81.5,73.5 88.5,73.5 90.5,71.5 90.5,63.5 88.5,61.5 81.5,61.5 79,64 79,71
5VSB_UNPROT on Top Copper "NONET_L-01_P-001" (solid, remove dead copper, pour order 50): 38,70.6 38,58.3 39.9,56.4 43.4,56.4 47.6,60.6 47.6,70.2 45.4,72.4 39.8,72.4
VCC on Top Copper "NONET_L-01_P-001" (solid, remove dead copper, pour order 40): 149.1,77.207 150.793,78.9 151.6,78.9 151.8,78.7 151.8,74.3 150.2,72.7 149.5,72.7 149.1,73.1
VCC on Top Copper "NONET_L-01_P-001" (solid, remove dead copper, pour order 39): 143.9,87.1 144.3,87.1 146,85.4 146,84.4 145.4,83.8 139.6,83.8 139,84.4 139,86.3 139.5,86.8 143.6,86.8
no net on Top Overlay "NONET_L-01_P-001" (solid): 111,82 141,82 cw(c141,79) 144,79 144,58 cw(c141,58) 141,55 111,55 cw(c111,58) 108,58 108,79 cw(c111,79)
DGND on Signal Layer 3 "NONET_L-01_P-001" (solid, remove dead copper, shelved, pour order 209): 0,98 215,98 215,0 0,0
3V3_OUT_0_U_Interface_Load_Switching1 on Signal Layer 3 "Signal Layer 3-3V3_OUT_0_U_Interface_Load_Switching2" (solid, remove dead copper, pour order 74): 165.5,16.4 185.2,16.4 186.1,17.3 186.1,20.1 185,21.2 177.4,21.2 170.5,28.1 164.9,28.1 163.6,26.8 163.6,18.3
VCC on Signal Layer 3 "Signal Layer 3-VCC" (solid, remove dead copper, pour order 208): 18.8,71 24,71 32,79 71.279,79 71.279,85 50.3,85 49.6,85.7 49.6,89.7 51.9,92 71.8,92 79.5,84.3 154.1,84.3 155.3,85.5 155.3,88.4 154.1,89.6 96.8,89.6 88.4,98 73.8,98 49.6,98 23.5,98 16,98 0,98 0,93.6 1.6,92 11.9,92 16,87.9 16,73.8
3V3_OUT_0_U_Interface_Load_Switching2 on Signal Layer 3 "Signal Layer 3-3V3_OUT_0_U_Interface_Load_Switching2" (solid, remove dead copper, pour order 80): 101.5,16.4 121.2,16.4 122.1,17.3 122.1,20.1 121,21.2 113.4,21.2 106.5,28.1 100.9,28.1 99.6,26.8 99.6,18.3
3V3_PWR_U_Interface_Load_Switching1 on Signal Layer 3 "Signal Layer 3-3V3_PWR_U_Interface_Load_Switching1" (solid, remove dead copper, pour order 206): 85,0 214.99,0 214.99,81.31 213.1,83.2 209.9,83.2 205.8,79.1 205.8,75.2 202.6,72 190.7,72 189.2,70.5 189.2,67.6 191.2,65.6 202.8,65.6 205.8,62.6 205.8,12 203,9.2 198.8,9.2 196.921,11.079 196.921,26.079 194.6,28.4 178.2,28.4 175.9,26.1 175.9,16 169.1,9.2 158.9,9.2 155.49,12.61 155.49,34.81 154.1,36.2 151.5,36.2 146.3,31 146.3,12.1 143.4,9.2 133.1,9.2 129.4,12.9 129.4,17.4 118.9,27.9 112.9,27.9 111.52,26.52 111.52,14.82 105.9,9.2 101.7,9.2 96.102,14.798 96.102,45.102 98.3,47.3 98.3,51.8 96.102,53.998 11,53.998 11,75.3 10.646,75.654 3.354,75.654 0,72.3 0,46 85,46
5VSB_ATX on Signal Layer 3 "Signal Layer 3-5VSB_ATX" (solid, remove dead copper, pour order 204): 28.7,64.2 30.94,61.96 53.36,61.96 62.9,71.5 90.5,71.5 91.7,72.7 91.7,77.6 90.7,78.6 58.5,78.6 34.8,78.6 28.7,72.5
5V_OUT_0_U_Interface_Load_Switching1 on Signal Layer 3 "Signal Layer 3-5V_OUT_0_U_Interface_Load_Switching1" (solid, remove dead copper, pour order 152): 166.4,28.2 186,28.2 188.115,30.315 188.115,35 182.6,35 181,36.6 164.9,36.6 164,35.7 164,30.6
12V_OUT_1_U_Interface_Load_Switching1 on Signal Layer 3 "NONET_L-01_P-001" (solid, remove dead copper, pour order 122): 163.684,36.816 175.816,36.816 177.433,38.433 177.433,46.067 175.82,47.68 163.18,47.68 162,46.5 162,38.5
3V3_UNPROT on Signal Layer 3 "Signal Layer 3-3V3_UNPROT" (solid, remove dead copper, pour order 173): 13.3,54 56.1,54 57.7,55.6 57.7,61.1 55.8,63 29.6,63 28,64.6 28,69.1 26.1,71 20.5,71 19,69.5 19,67.2 14.8,63 12.5,63 11.1,61.6 11.1,56.2
5V_OUT_0_U_Interface_Load_Switching2 on Signal Layer 3 "Signal Layer 3-5V_OUT_0_U_Interface_Load_Switching2" (solid, remove dead copper, pour order 170): 102.9,28.1 121.8,28.1 124.115,30.415 124.115,35.5 118.2,35.5 117,36.7 101.5,36.7 100,35.2 100,31
5V_ATX on Signal Layer 3 "Signal Layer 3-5V_ATX" (solid, remove dead copper, pour order 128): 61.2,55.1 104.2,55.1 113,63.9 113,73.6 111.1,75.5 105.3,75.5 101.6,71.8 60.2,71.8 58,69.6 58,58.3
VCC_5V on Signal Layer 3 "Signal Layer 3-VCC_5V" (solid, remove dead copper, pour order 129): 119.759,33.941 128.641,33.941 130,35.3 130,38.9 126,42.9 126,51.7 127.8,53.5 176.7,53.5 181.5,48.7 181.5,36.1 182.9,34.7 192.5,34.7 194,36.2 194,57.1 185.859,65.241 128.159,65.241 126,67.4 126,72.3 122.8,75.5 115.8,75.5 114,73.7 114,39.7
12V_OUT_2_U_Interface_Load_Switching1 on Signal Layer 3 "NONET_L-01_P-001" (solid, remove dead copper, pour order 83): 195.684,36.816 207.816,36.816 209.433,38.433 209.433,46.067 207.82,47.68 195.18,47.68 194,46.5 194,38.5
12V_OUT_2_U_Interface_Load_Switching2 on Signal Layer 3 "NONET_L-01_P-001" (solid, remove dead copper, pour order 123): 131.684,36.816 143.816,36.816 145.433,38.433 145.433,46.067 143.82,47.68 131.18,47.68 130,46.5 130,38.5
12V_OUT_1_U_Interface_Load_Switching2 on Signal Layer 3 "NONET_L-01_P-001" (solid, remove dead copper, pour order 124): 99.684,36.816 111.816,36.816 113.433,38.433 113.433,46.067 111.82,47.68 99.18,47.68 98,46.5 98,38.5
VCC_5V on Signal Layer 4 "Signal Layer 4-VCC_5V" (solid, remove dead copper, pour order 166): 140.3,89.8 163.1,89.8 168.1,94.8 217,94.8 217,99 0,99 0,93 78.3,93 80.1,94.8 135.3,94.8
DGND on Signal Layer 4 "NONET_L-01_P-001" (solid, remove dead copper, pour order 168): 0,98 215,98 215,0 0,0
DGND on Signal Layer 2 "NONET_L-01_P-001" (solid, remove dead copper, shelved, pour order 210): 0,98 215,98 215,0 0,0
VCC on Signal Layer 2 "NONET_L-01_P-001" (solid, remove dead copper, pour order 197): 27.3,82.6 27.3,79.2 37.4,69.1 38.9,69.1 40.2,70.4 40.2,72.7 29.3,83.6 28.3,83.6
5V_UNPROT on Signal Layer 2 "Top Copper-5V_UNPROT" (solid, remove dead copper, pour order 121): 59.2,52.1 59.2,68.2 55.1,72.3 45.8,72.3 36.5,63 20.4,63 18,60.6 18,50.1 19.6,48.5 55.6,48.5
VCC_5V on Signal Layer 2 "NONET_L-01_P-001" (solid, remove dead copper, pour order 164): 177.1,71 179,71 180,72 180,97 179,98 177.3,98 176.3,97 176.3,71.8
3V3_PWR_U_Interface_Load_Switching1 on Signal Layer 2 "NONET_L-01_P-001" (solid, remove dead copper, pour order 159): 126.7,13.3 126.7,70.6 122.5,74.8 118.6,74.8 116.847,73.047 116.847,14.153 119.88,11.12 124.52,11.12

## Keep-outs
Top Copper:
  circle w0.254: c158,46 r4
  circle w0.254: c189,6 r4
  circle w0.254: c157.5,6 r4
  circle w0.254: c125,6 r4
  circle w0.254: c92.5,6 r4
  circle w0.254: c210.5,93.5 r4
  circle w0.254: c119,93.5 r4
  circle w0.254: c4.5,85.5 r4
Bottom Copper:
  circle w0.254: c158,46 r4
  circle w0.254: c189,6 r4
  circle w0.254: c157.5,6 r4
  circle w0.254: c125,6 r4
  circle w0.254: c92.5,6 r4
  circle w0.254: c210.5,93.5 r4
  circle w0.254: c119,93.5 r4
  circle w0.254: c4.5,85.5 r4
Keep-Out Layer:
  lines w0.1: 0,50 ccw(c4,50) 4,46 84,46 cw(c84,45) 85,45 85,4 ccw(c89,4) 89,0 211,0 ccw(c211,4) 215,4 215,93.5 ccw(c210.5,93.5) 210.5,98 3,98 ccw(c3,95) 0,95 0,50 ; 4.85,96.8 cw(c5.2,96.8) 5.2,97.15 6.8,97.15 cw(c6.8,96.8) 6.8,96.45 5.2,96.45 cw(c5.2,96.8) 4.85,96.8 ; 16.85,96.8 cw(c17.2,96.8) 17.2,97.15 18.8,97.15 cw(c18.8,96.8) 18.8,96.45 17.2,96.45 cw(c17.2,96.8) 16.85,96.8 ; 28.85,96.8 cw(c29.2,96.8) 29.2,97.15 30.8,97.15 cw(c30.8,96.8) 30.8,96.45 29.2,96.45 cw(c29.2,96.8) 28.85,96.8 ; 40.85,96.8 cw(c41.2,96.8) 41.2,97.15 42.8,97.15 cw(c42.8,96.8) 42.8,96.45 41.2,96.45 cw(c41.2,96.8) 40.85,96.8 ; 52.85,96.8 cw(c53.2,96.8) 53.2,97.15 54.8,97.15 cw(c54.8,96.8) 54.8,96.45 53.2,96.45 cw(c53.2,96.8) 52.85,96.8

## Silkscreen, mask and mechanical layers (free items; w line width, h text height)
Top Overlay:
  lines w0.254: 179,58 205,58 205,67 179,67 179,58 ; 179,58 153,58 153,71 179,71 179,58
  text "RESET" at 3.667,90.3 h1
  text "STOP" at 16.167,90.3 h1
  text "POWER" at 27.667,90.3 h1
  text "USER" at 40.167,90.3 h1
  text "SPARE" at 51.667,90.3 h1
  text "NOTES" at 109.254,82.754 h1.52
  text "5V" at 49.55,67.167 h1 r90
  text "12V" at 68.05,66.25 h1 r90
  text "3V3" at 9.3,65.667 h1 r90
  text "5VSB" at 29.3,65.167 h1 r90
  text "(AUG '24)" at 194.2,63.417 h1
  text "REV: 1.0" at 181.3,63.25 h1.5
  text "VCTS" at 154,62.135 h15
  text "Design: Kevin Jung" at 183.2,60.667 h1
  text "PROTOTYPE" at 156.342,59.038 h5
  text "12V" at 33.75,47.254 h1
  text "5V" at 41.167,47.254 h1
  text "5VSB" at 47.167,47.254 h1
  text "3V3" at 54.667,47.254 h1
  text "VCC" at 61.667,47.254 h1
  text "P_OK" at 12.967,47.221 h1
  text "PS_ON" at 21.867,47.221 h1
  text "12V" at 87.247,38.5 h1
  text "12V" at 119.247,38.5 h1
  text "12V" at 151.247,38.5 h1
  text "12V" at 183.247,38.5 h1
  text "5V" at 88.08,33.5 h1
  text "5V" at 120.08,33.5 h1
  text "5V" at 152.08,33.5 h1
  text "5V" at 184.08,33.5 h1
  text "3V3" at 87.08,28.5 h1
  text "3V3" at 119.08,28.5 h1
  text "3V3" at 151.08,28.5 h1
  text "3V3" at 183.08,28.5 h1
Bottom Overlay:
  lines w0.3: 149.5,84 150,83 ; 151,83.5 150,83 ; 150,83 151.162,86.674 150,83
  text "1 for 3?" at 73.665,94.5 h1
  text "**" at 143.5,90.666 h2 r90
  text "**" at 160.5,90.666 h2 r90
  text "DIY FUN / SILK GRAPHICS!!" at 158.609,87.259 h1.1
  text "BOOT 0" at 164.8,79.55 h1 r90
  text "This was a lot of silkscreen, it's 2AM, and I don't wanna do anything fancy, but I think I should. A dilemma for the ages. I think I'll add a blank canvas to make it so I can draw fun images later." at 200.5,60.842 h0.8
Mechanical 5:
  lines w0.1: 87,-30 87,112 ; 87,68 104,68 ; 94.645,41.174 218.145,41.174 ; 104,-30 104,112 ; 119,-30 119,112 ; 136,-30 136,112 ; 151,-30 151,112 ; 168,-30 168,112 ; 183,-29 183,113 ; 200,-29 200,113

## Text inside footprints (layer, text, board x,y; h text height)
D3: Top Overlay "*" at 13.476,48.992 h1.52 r180
D4: Top Overlay "*" at 33.476,48.992 h1.52 r180
D5: Top Overlay "*" at 40.476,48.992 h1.52 r180
D6: Top Overlay "*" at 47.476,48.992 h1.52 r180
D7: Top Overlay "*" at 54.476,48.992 h1.52 r180
D8: Top Overlay "*" at 23.476,48.992 h1.52 r180
D16: Top Overlay "*" at 90.976,33.492 h1.52 r180
D17: Top Overlay "*" at 122.926,33.667 h1.52 r180
D18: Top Overlay "*" at 90.976,28.492 h1.52 r180
D19: Top Overlay "*" at 122.926,28.667 h1.52 r180
D20: Top Overlay "*" at 90.976,38.492 h1.52 r180
D21: Top Overlay "*" at 122.926,38.667 h1.52 r180
D29: Top Overlay "*" at 61.476,48.992 h1.52 r180
D31: Top Overlay "*" at 68.008,93.576 h1.52 r270
D38: Top Overlay "*" at 154.976,33.492 h1.52 r180
D39: Top Overlay "*" at 186.976,33.492 h1.52 r180
D40: Top Overlay "*" at 154.976,28.492 h1.52 r180
D41: Top Overlay "*" at 186.976,28.492 h1.52 r180
D42: Top Overlay "*" at 154.976,38.492 h1.52 r180
D43: Top Overlay "*" at 186.976,38.492 h1.52 r180
J1: Mechanical 13 "PCB Edge" at 76.46,97.49 h0.81 r180